# Altium PCB MB1363.PcbDoc (part 7 of 7)
Units mm, origin at the board's own origin, x right, y up, seen from the top; angles counter-clockwise.
Board outline 70 x 133.34 mm, 6 copper layers (Top Layer, Signal Layer 1, Signal Layer 2, Signal Layer 3, Signal Layer 4, Bottom Layer), stack 1.57 mm thick; 356 components, 294 nets, 1448 pads, 1107 vias.
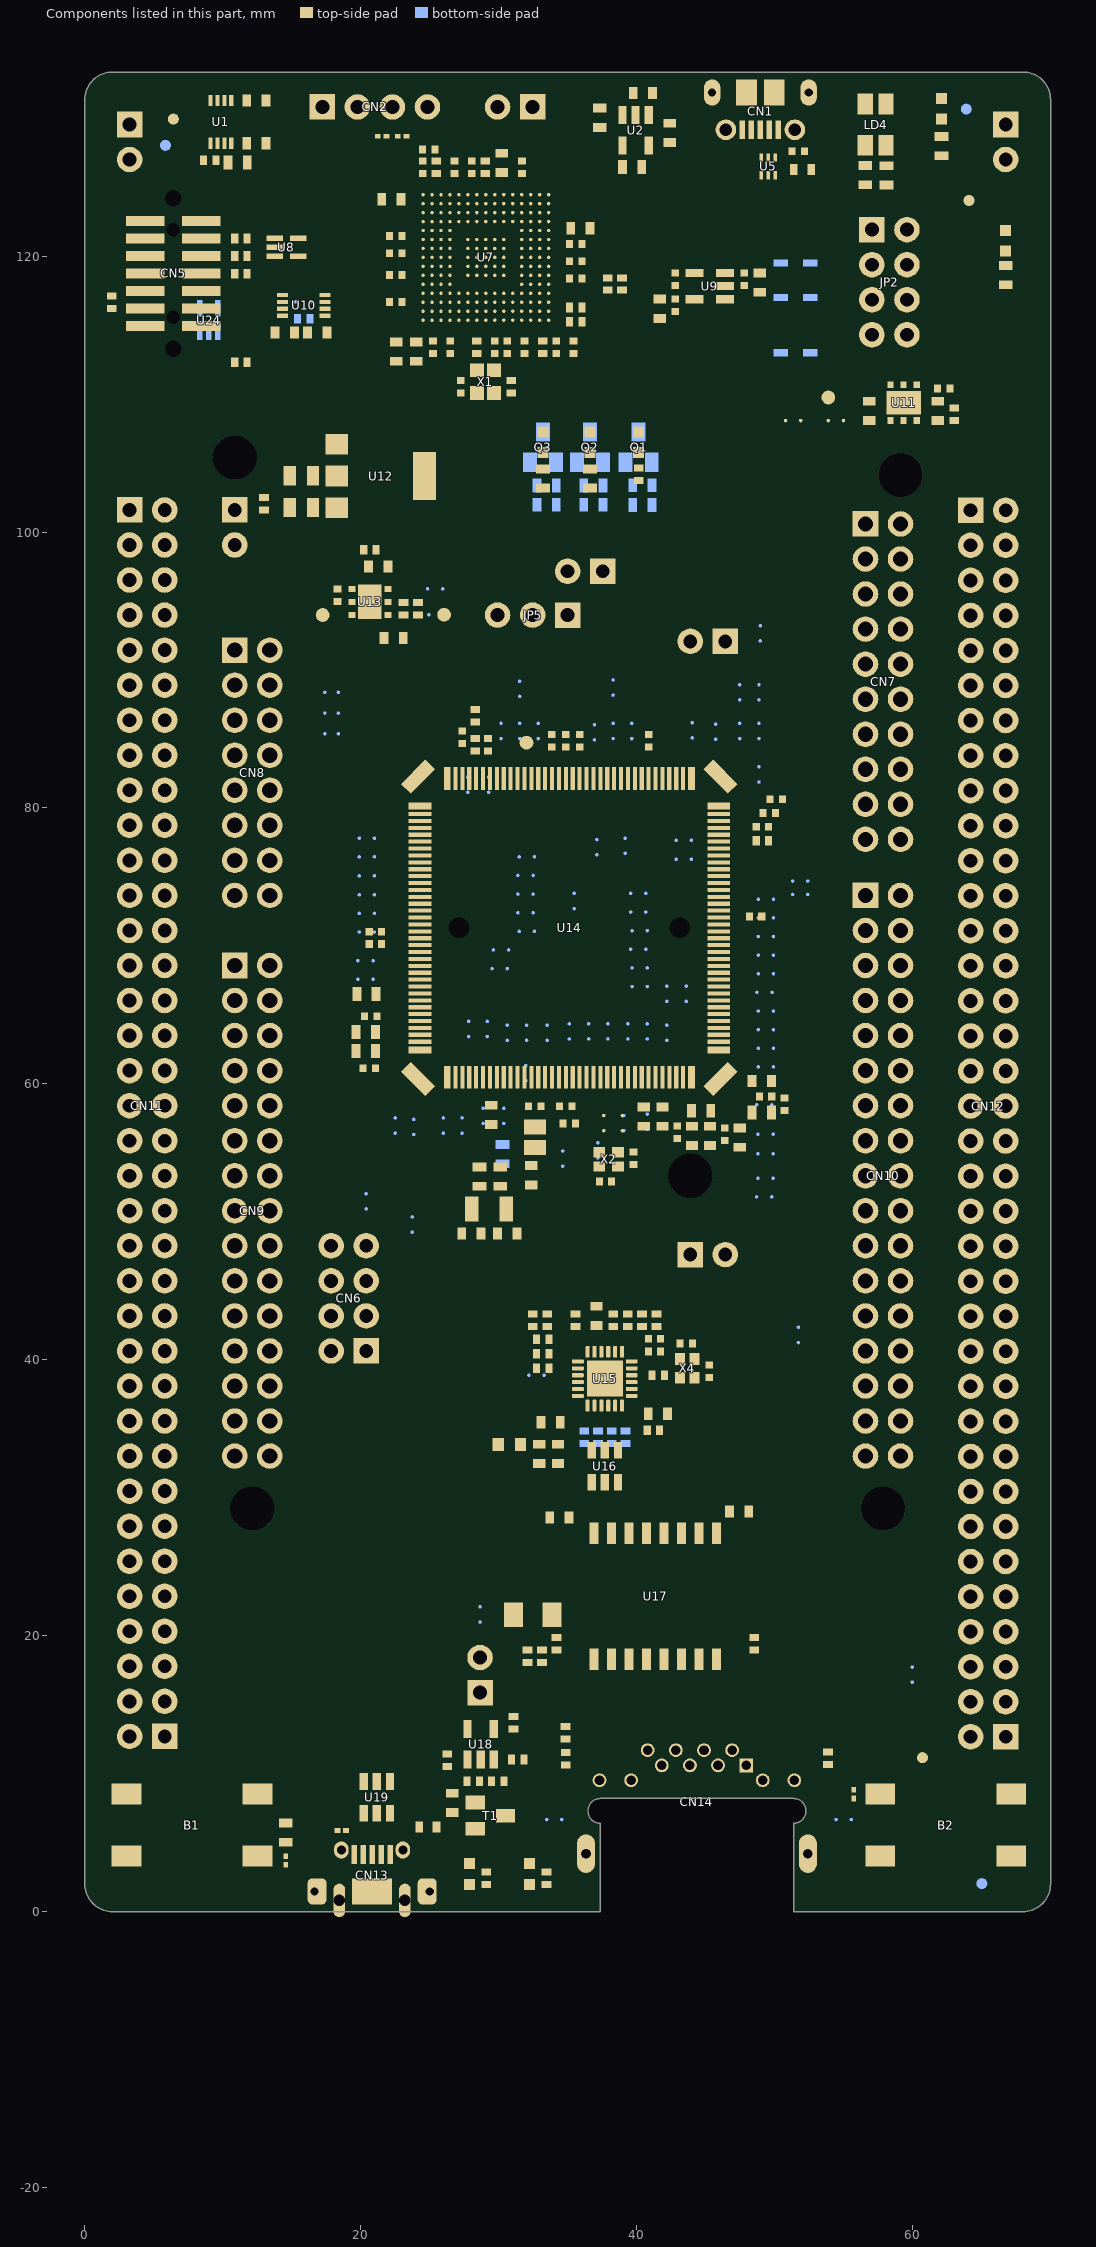
[diagram p11: the components of this part, seen from the top]

## Polygon pours and split planes (outlines as drawn) (continued)
GND on Top Layer "GND_L01_P090" (solid, remove dead copper, pour order 90): 1.577,133.34 0.116,131.879 0.116,107.629 20.166,107.629 20.666,108.129 25.866,108.129 26.4,107.595 26.4,100.163 25.991,99.754 16.291,99.754 15.416,100.629 13.866,100.629 13.866,107.629 0.116,107.629 0.116,1.629 1.616,0.129 35.366,0.129 35.366,12.379 28.991,12.379 28.616,12.004 28.616,8.979 27.016,7.379 26.266,7.379 25.366,6.479 25.366,4.379 23.866,2.879 21.866,2.879 21.366,3.379 21.366,5.379 25.116,9.129 25.116,14.629 25.366,14.879 35.866,14.879 35.866,8.379 53.366,8.379 53.369,0 68.237,0 69.866,1.629 69.866,106.879 60.116,106.879 59.616,107.379 59.616,108.629 59.866,108.879 63.116,108.879 63.116,111.879 62.616,112.379 59.016,112.379 58.15,113.245 58.15,124.05 58.979,124.879 63.616,124.879 64.366,124.129 64.366,119.379 64.866,118.879 67.396,118.879 67.396,118.849 67.866,118.379 67.866,107.629 67.616,107.379 67.616,107.129 69.866,107.129 69.866,131.879 68.405,133.34
5V on Signal Layer 2 "5V_L03_P060" (solid, remove dead copper, pour order 60): 58.575,113.8 59.496,112.879 62.391,112.879 63.616,114.104 63.616,124.429 61.641,126.404 50.866,126.404 48.191,123.729 41.841,123.729 36.066,117.954 26.266,117.954 23.766,120.454 4.541,120.454 1.091,117.004 1.091,113.079 1.691,112.479 3.941,112.479 5.466,114.004 38.241,114.004 44.791,120.554 57.771,120.554 58.63,119.695
5V_VIN on Signal Layer 2 "5V_VIN_L03_P034" (solid, remove dead copper, pour order 34): 19.366,104.779 20.316,105.729 20.316,107.504 20.666,107.854 25.641,107.854 26.016,107.479 26.016,100.629 25.666,100.279 20.491,100.279 20.291,100.479 20.291,102.429 19.591,103.129 19.366,103.354
VDD_MCU on Signal Layer 2 "VDD_MCU_L03_P088" (solid, remove dead copper, pour order 88): 18.166,87.354 17.916,87.104 17.916,86.479 18.266,86.129 24.191,86.129 27.941,82.379 41.591,82.379 42.166,82.954 42.166,85.304 41.641,85.829 31.891,85.829 30.366,87.354
5V on Signal Layer 2 "5V_L03_P062" (solid, remove dead copper, pour order 62): 15.866,14.304 13.316,11.754 1.441,11.754 1.091,11.404 1.091,9.979 1.716,9.354 14.791,9.354 17.816,12.379 27.091,12.379 27.366,12.654 27.366,14.079 27.141,14.304
VIN on Signal Layer 2 "VIN_L03_P082" (solid, remove dead copper, pour order 82): 12.441,104.079 12.016,104.079 11.191,103.254 11.191,101.679 12.566,100.304 19.716,100.304 19.991,100.579 19.991,102.279 19.366,102.904 18.196,104.074 17.341,104.074
GND on Signal Layer 2 "GND_L03_P092" (solid, remove dead copper, pour order 92): 2,133.34 1.986,133.354 1.55,133.354 -0.009,131.795 -0.009,117.504 0.166,117.329 0.916,117.329 4.391,120.804 23.941,120.804 26.391,118.354 35.841,118.354 41.566,124.079 48.041,124.079 50.816,126.854 62.041,126.854 64.016,124.879 64.016,114.004 62.841,112.829 62.841,112.079 69.816,112.079 69.816,132.004 68.491,133.329
GND on Signal Layer 2 "GND_L03_P094" (solid, remove dead copper, pour order 94): 0.091,113.329 0.391,113.329 1.491,112.229 4.166,112.229 5.641,113.704 38.666,113.704 45.116,120.154 57.671,120.154 58.225,119.6 58.225,113.675 59.346,112.554 62.566,112.554 62.841,112.829 69.592,112.829 69.866,112.555 69.866,81.879 43.116,81.879 42.366,82.629 42.366,83.559 42.366,85.429 41.766,86.029 31.966,86.029 26.366,91.629 26.366,107.654 25.716,108.304 20.491,108.304 19.891,107.704 19.891,105.829 18.466,104.404 11.741,104.404 10.716,103.379 10.716,100.529 10.566,100.379 0.341,100.379 0.091,100.629
GND on Signal Layer 2 "GND_L03_P096" (solid, remove dead copper, pour order 96): 26.666,100.854 25.916,100.104 12.241,100.104 10.4,101.945 10.4,103.669 8.751,103.669 7.491,104.929 0.216,104.929 0.116,104.829 0.116,11.404 0.253,11.266 0.579,11.266 1.316,12.004 13.166,12.004 15.691,14.529 27.316,14.529 27.616,14.229 27.616,12.179 69.916,12.179 69.941,12.204 69.941,81.577 69.59,81.929 43.066,81.929 42.366,82.629 41.741,82.004 27.741,82.004 23.891,85.854 18.141,85.854 17.616,86.379 17.616,87.204 18.091,87.679 30.287,87.679 30.301,87.693 26.666,91.329
GND on Signal Layer 2 "GND_L03_P098" (solid, remove dead copper, pour order 98): 0.566,10.029 1.616,8.979 15.041,8.979 18.116,12.054 27.141,12.054 27.666,12.579 34.091,12.579 34.416,12.904 34.416,13.054 35.291,13.929 69.891,13.929 69.941,13.879 69.941,1.204 68.816,0.079 1.216,0.079 0.216,1.079 0.216,10.004 0.191,10.029
GND on Signal Layer 1 "GND_L02_P020" (solid, remove dead copper, pour order 20): 35.266,9.866 36.068,10.668 52.748,10.668 53.666,9.75 53.666,8.429 53.491,8.254 53.491,0 69.037,0 69.416,0.379 70,0.963 70,132.345 69.005,133.34 68,133.34 -0.034,133.379 -0.034,0.929 0.895,0 35.266,0
GND on Signal Layer 4 "GND_L05_P050" (solid, remove dead copper, pour order 50): 35.369,10.569 36.425,11.625 52.4,11.625 53.425,10.6 53.364,10.263 53.501,10.126 53.5,10 53.525,9.975 53.541,9.975 53.541,0.054 53.591,0.079 68.541,0.079 69.866,1.404 69.866,131.829 68.466,133.229 1.791,133.254 1.516,133.254 0.041,131.779 0.041,1.629 1.591,0.079 35.369,0.079

## Keep-outs
Keep-Out Layer:
  lines w0.127: -0.004,1.999 ccw(c1.996,1.999) 1.996,-0.001

## Other copper
Top Layer:
  pour cut-out: 33.041,51.529 31.941,51.529 30.991,52.479 30.991,53.904 30.191,54.704 30.191,55.529 30.941,56.279 30.941,57.979 31.541,58.579 31.541,61.329 31.691,61.479 35.066,61.479 35.191,61.354 35.191,59.329 35.716,58.804 36.216,58.804 36.991,58.029 36.991,56.879 36.316,56.204 36.316,55.604 33.916,53.204 33.916,52.278 33.166,51.528
  pour cut-out: 24.316,126.629 23.271,126.629 21.721,125.079 21.721,122.206 21.536,122.021 21.536,113.804 22.001,113.339 26.226,113.339 26.891,114.004 26.891,115.779 27.446,116.334 28.79,116.334 29.716,115.408 29.716,113.904 30.416,113.204 35.791,113.204 36.291,113.704 36.291,121.204 36.116,121.379 31.791,121.379 31.791,122.379 32.49,123.078 32.49,126.627
  pour cut-out: 48.616,126.679 48.616,126.254 49.966,126.254 49.966,126.734 48.621,126.734 48.616,126.729
  pour cut-out: 35.366,17.35 53.366,17.35 53.366,-0.121 35.366,-0.121
  pour cut-out: 29.6,22.95 36.366,22.95 36.366,0 29.6,0
  text "1" at 67.218,104.184 h2 r90
Signal Layer 1:
  pour cut-out: 33.041,51.529 31.941,51.529 30.991,52.479 30.991,53.904 30.191,54.704 30.191,55.529 30.941,56.279 30.941,57.979 31.541,58.579 31.541,61.329 31.691,61.479 35.066,61.479 35.191,61.354 35.191,59.329 35.716,58.804 36.216,58.804 36.991,58.029 36.991,56.879 36.316,56.204 36.316,55.604 33.916,53.204 33.916,52.278 33.166,51.528
  pour cut-out: 35.366,17.35 53.366,17.35 53.366,-0.121 35.366,-0.121
  pour cut-out: 29.6,22.95 36.366,22.95 36.366,0 29.6,0
  text "2" at 67.218,105.434 h2 r90
Signal Layer 2:
  pour cut-out: 33.041,51.529 31.941,51.529 30.991,52.479 30.991,53.904 30.191,54.704 30.191,55.529 30.941,56.279 30.941,57.979 31.541,58.579 31.541,61.329 31.691,61.479 35.066,61.479 35.191,61.354 35.191,59.329 35.716,58.804 36.216,58.804 36.991,58.029 36.991,56.879 36.316,56.204 36.316,55.604 33.916,53.204 33.916,52.278 33.166,51.528
  pour cut-out: 35.366,17.35 53.366,17.35 53.366,-0.121 35.366,-0.121
  pour cut-out: 30.125,23.025 36.366,23.025 36.366,0 30.125,0
  text "3" at 67.218,106.934 h2 r90
Signal Layer 3:
  pour cut-out: 35.325,17.421 53.325,17.421 53.325,-0.05 35.325,-0.05
  text "4" at 67.218,109.184 h2 r90
Signal Layer 4:
  pour cut-out: 37.266,61.429 37.216,61.379 37.141,61.304 37.141,58.929 36.966,58.754 36.966,55.804 36.191,55.029 36.191,52.079 36.641,51.629 38.866,51.629 40.741,53.504 40.741,55.404 40.091,56.054 39.591,56.554 39.591,58.554 39.216,58.929 39.216,61.329 39.116,61.429
  pour cut-out: 30.741,61.429 30.666,61.354 30.666,58.729 30.391,58.454 30.391,57.929 30.066,57.604 29.066,57.604 28.841,57.379 28.841,56.604 27.666,55.429 27.666,52.729 26.866,51.929 26.866,48.504 27.541,47.829 30.966,47.829 31.791,48.654 31.791,51.154 30.841,52.104 30.841,54.204 30.641,54.404 30.291,54.404 30.216,54.479 30.216,55.554 31.016,56.354 31.016,58.129 31.591,58.704 31.591,61.354 31.516,61.429
  pour cut-out: 35.366,17.35 53.366,17.35 53.366,-0.121 35.366,-0.121
  pour cut-out: 32.3,8.2 36.366,8.2 36.366,0 32.3,0
  pour cut-out: 52.225,8.2 56.291,8.2 56.291,0 52.225,0
  text "5" at 67.218,110.684 h2 r90
Bottom Layer:
  pour cut-out: 32.541,19.7 35.475,19.7 35.475,0 32.541,0
  pour cut-out: 32.575,17.366 32.575,20.3 56.325,20.3 56.325,17.366
  pour cut-out: 56.459,0 53.525,0 53.525,20.225 56.459,20.225
  text "6" at 67.218,112.184 h2 r90
Multi-Layer:
  pour cut-out: 65.621,103.891 67.621,103.891 67.621,112.391 65.621,112.391
  pour cut-out: 36.441,28.325 36.441,17.359 46.266,17.359 46.266,28.325

## Silkscreen, mask and mechanical layers (free items; w line width, h text height)
Top Overlay:
  drawing of 1859 lines, arcs and shapes, not listed
  text "OVCR" at 60.186,132.098 h1.5
  text "COM" at 55.903,132.049 h1.5
  text "SWD" at 27.254,129.311 h1.5 r90
  text "STLK_RST" at 29.705,128.396 h0.91
  text "3V3" at 15.966,128.329 h1.5
  text "USB" at 45.027,127.236 h1.5
  text "STLK" at 15.394,127.064 h1.5
  text "GND" at 1.547,126.954 h1.5 r90
  text "GND" at 69.474,126.947 h1.5 r90
  text "PWR" at 44.861,126.086 h1.5
  text "ST-LINK V3" at 34.721,123.685 h1.5
  text "STLINK" at 50.42,121.407 h1.5
  text "VIN" at 52.85,118.795 h1.5
  text "5V" at 62.324,118.566 h1.5
  text "PWR" at 61.689,117.042 h1.5
  text "EXT" at 52.552,116.332 h1.5
  text "RX" at 0.706,114.299 h1.5
  text "TX" at 10.391,114.299 h1.5
  text "CHGR" at 51.18,113.769 h1.5
  text "MIPI10" at 4.326,111.224 h1.5
  text "3V3" at 52.749,110.764 h1.5
  text "5V_VIN" at 25.824,103.769 h1.5
  text "SCL" at 60.916,101.154 h1.2 r45
  text "User LEDs" at 34.039,101.13 h1.5
  text "D15" at 60.991,100.029 h1.2 r45
  text "VIN" at 17.315,99.842 h1.5
  text "3V3" at 36.435,98.66 h1.5
  text "SDA" at 60.916,98.379 h1.2 r45
  text "D14" at 60.991,97.229 h1.2 r45
  text "IDD" at 39.875,96.65 h1.5
  text "MCU_RST" at 7.776,96.466 h1.5
  text "+" at 62.291,95.379 h1.2 r45
  text "VREF" at 60.966,95.204 h1.2 r45
  text "I2S_A" at 54.017,94.409 h1.5 r90
  text "VDD" at 37.108,94.261 h1.5
  text "MCU" at 37.124,93.168 h1.5
  text "GND" at 60.891,92.779 h1.2 r45
  text "NC" at 7.741,92.154 h1.2 r315
  text "1V8" at 24.965,92.119 h1.5
  text "1V8" at 28.66,91.244 h1.5
  text "3V3" at 34.158,91.226 h1.5
  text "VDD" at 24.698,90.979 h1.5
  text "SCK" at 60.916,90.904 h1.2 r45
  text "VDD" at 28.393,90.104 h1.5
  text "VDD" at 33.891,90.086 h1.5
  text "D13" at 61.016,89.779 h1.2 r45
  text "IO" at 8.216,89.754 h1.2 r315
  text "RMII TXD1" at 41.862,89.533 h1.5
  text "REF" at 7.491,89.004 h1.2 r315
  text "MISO" at 60.966,88.079 h1.2 r45
  text "NRST" at 7.116,86.904 h1.2 r315
  text "D12" at 61.016,86.879 h1.2 r45
  text "I2S_B" at 54.719,85.921 h1.5 r90
  text "MOSI" at 60.991,85.329 h1.2 r45
  text "D11" at 60.966,84.079 h1.2 r45
  text "3V3" at 7.716,83.904 h1.2 r315
  text "SDMMC" at 16.676,82.753 h1.5 r90
  text "CS" at 60.891,82.629 h1.2 r45
  text "D10" at 60.966,81.479 h1.2 r45
  text "5V" at 7.841,81.354 h1.2 r315
  text "PWM" at 60.991,80.104 h1.2 r45
  text "GND" at 7.441,79.054 h1.2 r315
  text "D9" at 61.016,78.904 h1.2 r45
  text "SPI_B" at 54.151,78.837 h1.5 r90
  text "I/O" at 61.016,77.429 h1.2 r45
  text "GND" at 7.416,76.479 h1.2 r315
  text "D8" at 61.016,76.229 h1.2 r45
  text "IO" at 16.64,74.292 h1.5 r90
  text "I/O" at 61.041,74.204 h1.2 r45
  text "VIN" at 7.466,73.879 h1.2 r315
  text "AVDD" at 51.445,73.179 h1.5
  text "D7" at 61.041,72.954 h1.2 r45
  text "PWM" at 61.016,71.554 h1.2 r45
  text "AGND" at 51.342,70.602 h1.5
  text "D6" at 61.041,70.404 h1.2 r45
  text "A0" at 7.758,69.168 h1.2 r315
  text "PWM" at 61.041,69.029 h1.2 r45
  text "GND" at 52.309,68.223 h1.5
  text "D5" at 61.041,67.854 h1.2 r45
  text "A1" at 7.841,66.679 h1.2 r315
  text "I/O" at 61.016,66.429 h1.2 r45
  text "D4" at 61.041,65.204 h1.2 r45
  text "A2" at 7.866,64.129 h1.2 r315
  text "PWM" at 61.016,63.729 h1.2 r45
  text "D3" at 61.016,62.504 h1.2 r45
  text "A3" at 7.766,61.479 h1.2 r315
  text "USART" at 16.249,61.35 h1.5 r90
  text "I/O" at 61.016,61.129 h1.2 r45
  text "D2" at 61.041,59.954 h1.2 r45
  text "ADC_IN" at 54.018,59.134 h1.5 r90
  text "A4" at 7.816,59.004 h1.2 r315
  text "TX" at 60.992,58.483 h1.2 r45
  text "D1" at 60.991,57.254 h1.2 r45
  text "A5" at 7.766,56.429 h1.2 r315
  text "RX" at 61.016,55.729 h1.2 r45
  text "GND" at 14.885,55.395 h1.5
  text "D0" at 61.041,54.554 h1.2 r45
  text "COMP" at 8.392,50.222 h1.5 r90
  text "QSPI" at 53.866,49.124 h1.5 r90
  text "SAI_A" at 16.036,47.769 h1.5 r90
  text "PG" at 22.068,47.578 h1.5
  text "GND" at 24.847,47.553 h1.5
  text "VOUT" at 24.536,45.919 h1.5
  text "SW" at 21.903,45.271 h1.5
  text "RMII MDIO" at 42.543,45.101 h1.5
  text "I2C" at 8.534,44.676 h1.5 r90
  text "CORE" at 24.536,44.649 h1.5
  text "EN" at 21.996,42.744 h1.5
  text "VDD" at 24.872,42.73 h1.5
  text "TIMER" at 62.301,41.166 h1.5 r90
  text "GND" at 7.366,41.129 h1.2 r315
  text "V1" at 21.996,40.204 h1.5
  text "GND" at 52.309,40.207 h1.5
  text "3V3" at 25.093,40.186 h1.5
  text "SAI_B" at 16,37.601 h1.5 r90
  text "CAN" at 8.356,35.361 h1.5 r90
  text "TIMER" at 54.094,33.405 h1.5 r90
  text "IO" at 14.929,32.577 h1.5
  text "IO" at 8.202,32.51 h1.5
  text "USB PWR EN" at 28.325,20.05 h1.5 r90
  text "MB1363C" at 51.85,18.252 h2
  text "Nucleo" at 8.344,16.62 h3.3
  text "GND" at 64.243,10.076 h1.5
  text "GND" at 3.214,9.991 h1.5
  text "RESET" at 60.307,1.922 h1.5
  text "USER" at 6,1.9 h1.5
  text "User" at 13.205,1.729 h1.5
  text "USB" at 13.229,0.491 h1.5
  text "OVCR" at 26.258,0.329 h1.5
  text "VBUS" at 31.537,0.337 h1.5
Bottom Overlay:
  lines w0.12: 32.077,58.881 32.077,59.33
  lines w0.127: 30.875,16.45 30.875,25.45 55.875,25.45 55.875,16.45 30.875,16.45
  text "GND" at 68.326,127 h1.5 r270
  text "GND" at 0.741,126.829 h1.5 r270
  text "CN12" at 65.375,103.25 h1.5
  text "CN11" at 6.265,103.098 h1.5
  text "CN7" at 57.199,102.184 h1.5
  text "PC8" at 69.591,102.183 h1.2 r45
  text "PC11" at 9.533,101.167 h1.2
  text "PC10" at 1.766,100.979 h1.2 r315
  text "PC9" at 62.961,100.938 h1.2
  text "PC6" at 69.743,99.872 h1.2 r45
  text "PC12" at 1.791,98.579 h1.2 r315
  text "PD2" at 9.088,98.525 h1.2
  text "PB8" at 62.961,98.398 h1.2
  text "PC5" at 69.769,97.23 h1.2 r45
  text "3V3" at 1.866,96.504 h1.2 r315
  text "E5V" at 9.088,95.935 h1.2
  text "PB9" at 62.961,95.858 h1.2
  text "VDD" at 1.671,95.381 h1.2 r315
  text "U5V" at 69.667,94.563 h1.2 r45
  text "GND" at 9.088,93.445 h1.2
  text "BT0" at 1.595,93.318 h1.2 r315
  text "CN8" at 13.547,92.934 h1.5
  text "VREF+" at 62.69,92.664 h1.2 r315
  text "PD8" at 69.667,92.099 h1.2 r45
  text "NC" at 8.391,91.054 h1.2
  text "PF6" at 1.671,90.778 h1.2 r315
  text "GND" at 62.961,90.778 h1.2
  text "PA12" at 69.769,89.153 h1.2 r45
  text "+3V3" at 9.748,88.365 h1.2
  text "PA5" at 62.961,88.238 h1.2
  text "PF7" at 1.671,88.137 h1.2 r315
  text "PA11" at 69.489,86.41 h1.2 r45
  text "PA6" at 62.961,85.698 h1.2
  text "NRST" at 9.698,85.648 h1.2
  text "PA13" at 2.078,84.911 h1.2 r315
  text "PB12" at 69.591,83.895 h1.2 r45
  text "3V3" at 9.088,83.285 h1.2
  text "PA7" at 62.961,83.158 h1.2
  text "PA14" at 2.078,82.346 h1.2 r315
  text "PB11" at 69.642,81.38 h1.2 r45
  text "+5V" at 9.088,80.695 h1.2
  text "PB6" at 62.961,80.618 h1.2
  text "PA15" at 2.078,79.856 h1.2 r315
  text "GND" at 69.769,79.323 h1.2 r45
  text "GND" at 9.088,78.231 h1.2
  text "PC7" at 62.961,78.078 h1.2
  text "GND" at 1.671,78.053 h1.2 r315
  text "PB2" at 69.642,76.783 h1.2 r45
  text "GND" at 9.088,75.691 h1.2
  text "PA9" at 62.961,75.538 h1.2
  text "PB7" at 1.671,75.513 h1.2 r315
  text "CN10" at 59.578,75.041 h1.5
  text "PB1" at 69.489,74.065 h1.2 r45
  text "VIN" at 8.936,73.024 h1.2
  text "PA8" at 62.961,72.998 h1.2
  text "PC13" at 2.078,72.313 h1.2 r315
  text "PB15" at 69.591,71.373 h1.2 r45
  text "NC" at 8.466,70.704 h1.2
  text "PB10" at 62.961,70.458 h1.2
  text "CN9" at 13.647,69.951 h1.5
  text "PC14" at 2.078,69.696 h1.2 r315
  text "PB14" at 69.642,68.757 h1.2 r45
  text "PA0" at 9.088,68.096 h1.2
  text "PB4" at 62.961,67.918 h1.2
  text "PC15" at 1.9,67.36 h1.2 r315
  text "PB13" at 69.794,66.344 h1.2 r45
  text "PA1" at 8.783,65.505 h1.2
  text "PB5" at 62.961,65.378 h1.2
  text "OSCI" at 2.078,64.642 h1.2 r315
  text "AGND" at 69.86,64.007 h1.2 r45
  text "PA4" at 9.088,63.067 h1.2
  text "PB3" at 62.961,62.838 h1.2
  text "OSCO" at 2.078,62.102 h1.2 r315
  text "PC4" at 69.616,61.695 h1.2 r45
  text "PB0" at 9.088,60.425 h1.2
  text "PA10" at 62.961,60.298 h1.2
  text "VBAT" at 2.078,59.536 h1.2 r315
  text "NC" at 69.391,57.979 h1.2
  text "PC1" at 8.783,57.809 h1.2
  text "PA2" at 62.961,57.758 h1.2
  text "PC2" at 1.671,57.454 h1.2 r315
  text "NC" at 69.391,55.504 h1.2
  text "PC0" at 9.088,55.32 h1.2
  text "PA3" at 62.961,55.218 h1.2
  text "PC3" at 1.671,54.863 h1.2 r315
  text "PE8" at 69.616,53.847 h1.2 r45
  text "PD3" at 9.088,52.755 h1.2
  text "GND" at 62.961,52.678 h1.2
  text "PD4" at 1.595,52.628 h1.2 r315
  text "PF10" at 69.87,51.332 h1.2 r45
  text "NC" at 8.491,50.379 h1.2
  text "PD13" at 62.961,50.138 h1.2
  text "PD5" at 1.57,50.113 h1.2 r315
  text "PE7" at 69.667,48.716 h1.2 r45
  text "NC" at 8.516,47.904 h1.2
  text "PD6" at 1.57,47.598 h1.2 r315
  text "PD12" at 62.961,47.598 h1.2
  text "PD14" at 69.819,46.176 h1.2 r45
  text "PE2" at 9.088,45.16 h1.2
  text "PD7" at 1.519,45.135 h1.2 r315
  text "PD11" at 62.961,45.058 h1.2
  text "PD15" at 69.667,43.509 h1.2 r45
  text "PE4" at 9.088,42.747 h1.2
  text "PE3" at 1.544,42.544 h1.2 r315
  text "PE10" at 62.961,42.518 h1.2
  text "PF14" at 69.718,40.994 h1.2 r45
  text "GND" at 1.595,40.105 h1.2 r315
  text "PE12" at 62.961,39.978 h1.2
  text "PE5" at 9.088,39.928 h1.2
  text "PE9" at 69.667,38.556 h1.2 r45
  text "NC" at 1.966,37.729 h1.2
  text "NC" at 8.566,37.679 h1.2
  text "PE14" at 62.961,37.438 h1.2
  text "GND" at 69.667,36.041 h1.2 r45
  text "NC" at 2.016,35.179 h1.2
  text "PF8" at 9.088,35 h1.2
  text "PE15" at 62.961,34.898 h1.2
  text "PE11" at 69.794,33.578 h1.2 r45
  text "PF9" at 9.088,32.46 h1.2
  text "PD1" at 1.671,32.384 h1.2 r315
  text "PE13" at 62.961,32.358 h1.2
  text "NC" at 8.591,30.129 h1.2
  text "NC" at 62.941,30.054 h1.2
  text "NC" at 69.441,30.054 h1.2
  text "PD0" at 1.671,29.793 h1.2 r315
  text "PF15" at 69.819,28.32 h1.2 r45
  text "NC" at 1.916,27.554 h1.2
  text "GND" at 9.191,27.504 h1.2
  text "NC" at 62.991,27.479 h1.2
  text "PF11" at 69.642,25.704 h1.2 r45
  text "PE6" at 9.088,24.815 h1.2
  text "PG14" at 62.961,24.738 h1.2
  text "PE1" at 1.595,24.688 h1.2 r315
  text "PE0" at 69.667,23.468 h1.2 r45
  text "NC" at 8.566,22.454 h1.2
  text "GND" at 62.961,22.198 h1.2
  text "PG9" at 1.62,22.097 h1.2 r315
  text "PG8" at 69.616,20.827 h1.2 r45
  text "PG10" at 9.829,19.887 h1.2
  text "PD10" at 62.961,19.658 h1.2
  text "PG12" at 2.078,18.871 h1.2 r315
  text "PG7" at 62.925,17.475 h1.2
  text "NC" at 69.416,17.379 h1.2
  text "NC" at 2.016,17.354 h1.2
  text "PG13" at 9.829,17.322 h1.2
  text "PG6" at 69.743,15.975 h1.2 r45
  text "PG11" at 9.829,14.909 h1.2
  text "NC" at 62.841,14.754 h1.2
  text "PD9" at 1.671,14.477 h1.2 r315
  text "MB1363C" at 55.75,14.1 h2.5
  text "GND" at 67.075,10.1 h1.5
  text "GND" at 6.1,10 h1.5
Top Solder:
  region: 67.625,103.9 67.625,112.4 65.625,112.4 65.625,103.9
Bottom Solder:
  region: 67.625,103.9 67.625,112.4 65.625,112.4 65.625,103.9
M1-Board Shape:
  lines w0.1: 51.369,6.4 ccw(c51.369,6.4) 51.369,6.4 ; 51.369,6.4 ccw(c51.369,7.3) 52.269,7.3 ; 51.369,6.4 51.369,0 68,0 ; 52.269,7.3 ccw(c51.369,7.3) 51.369,8.2 37.369,8.2 ccw(c37.369,7.3) 36.469,7.3 ccw(c37.369,7.3) 37.369,6.4 37.369,0 2,0 cw(c2,2) 0,2 0,131.34 cw(c2,131.34) 2,133.34 68,133.34 cw(c68,131.34) 70,131.34 70,2 cw(c68,2) 68,0 ; 52.269,7.3 52.269,7.3 ; 68,0 68,0
Drill Drawing:
  drawing of 561 lines, arcs and shapes, not listed
  text "PCB SPECIFICATIONS :" at 2.036,176.169 h3
  text "PCB : TYPE 3" at 150.448,175.937 h3
  text "A.   MATERIAL :" at 2.036,172.169 h3
  text "FR-4" at 40.536,172.169 h3
  text "TG-170" at 57.036,172.169 h3
  text "X  TG-150" at 75.286,172.169 h3
  text "TG-140" at 91.286,172.169 h3
  text "ASPECT-RATIO, AXE Z :" at 150.448,170.437 h3
  text "B.   MATERIAL FAMILY :" at 2.036,169.169 h3
  text "N/A" at 40.536,169.169 h3
  text "C.   SOLDERMASK COLOR :" at 2.036,166.169 h3
  text "GREEN" at 40.536,166.169 h3
  text "X  WHITE" at 57.036,166.169 h3
  text "RED" at 75.286,166.169 h3
  text "BLACK" at 91.286,166.169 h3
  text "6:1 to 8:1 / LEVEL \"B\"" at 150.466,163.689 h3
  text "D.   SILKSCREEN COLOR :" at 2.036,163.169 h3
  text "WHITE" at 40.536,163.169 h3
  text "YELLOW" at 57.036,163.169 h3
  text "BLACK" at 75.286,163.169 h3
  text "X  Blue ink PANTONE 2955" at 91.286,163.169 h3
  text "E.   SURFACE FINISH :" at 2.036,160.169 h3
  text "X  ENIG" at 40.536,160.169 h3
  text "IMMERSION SILVER" at 57.036,160.169 h3
  text "IMMERSION TIN" at 91.286,160.169 h3
  text "MINIMUM PARAMETERS" at 150.493,158.088 h3
  text "HASL" at 40.536,157.169 h3
  text "HASL (PB-FREE)" at 57.036,157.169 h3
  text "GOLDEN FINGER" at 91.286,157.169 h3
  text "F.   IMPEDANCE CONTROL :" at 2.036,154.169 h3
  text "NO" at 40.536,154.169 h3
  text "X  YES  (SEE IMPEDANCE TABLE FOR DETAIL INFORMATION)" at 57.036,154.169 h3
  text "DEFAULT" at 150.493,152.588 h3
  text "G.   THROUGH VIA :" at 2.036,151.169 h3
  text "PLUG THE VIAS WHICH ARE COVERED WITH SOLDERMASK ONE OR TWO SIDE." at 40.536,151.169 h3
  text "PLUG MATERIAL :" at 40.536,148.169 h3
  text "X  SOLDERMASK" at 66.036,148.169 h3
  text "NON-CONDUCTIVE EPOXY." at 91.286,148.169 h3
  text "TRACKS : 0.120mm           / GAPS : 0.120mm" at 150.493,146.838 h3
  text "H.   STACK-UP :" at 2.036,145.169 h3
  text "SEE LAYER STACK-UP SEQUENCE FOR OVERALL THICKNESS." at 40.536,145.169 h3
  text "Layer" at 79.741,134.779 h2
  text "Name" at 88.115,134.779 h2
  text "Material" at 104.312,134.779 h2
  text "Thickness" at 118.866,134.779 h2
  text "Constant" at 130.821,134.779 h2
  text "Board Layer Stack" at 141.885,134.779 h2
  text "IMPEDANCE TABLE    RMII" at 163.739,134.594 h3
  text "1" at 79.741,130.779 h2
  text "Top Overlay" at 88.115,130.779 h2
  text "LAYER" at 167.989,129.594 h3
  text "TRACE" at 184.239,129.594 h3
  text "SPACING" at 194.739,129.594 h3
  text "IMPEDANCE" at 208.239,129.594 h3
  text "IMPEDANCE" at 225.239,129.594 h3
  text "TOL." at 243.989,129.594 h3
  text "(mm)" at 198.064,127.119 h2.5
  text "(mm)" at 186.239,127.069 h2.5
  text "(Single ended)" at 208.739,126.844 h2.5
  text "(Differential)" at 226.489,126.844 h2.5
  text "2" at 79.741,126.779 h2
  text "Top Solder" at 88.115,126.779 h2
  text "Solder Resist" at 104.312,126.779 h2
  text "0,015mm" at 118.866,126.779 h2
  text "3,5" at 130.821,126.779 h2
  text "+/- 15%" at 243.044,123.204 h3
  text "0.127" at 185.214,123.119 h3
  text "TOP/BOTTOM" at 164.219,123.079 h3
  text "n/a" at 197.239,123.094 h3
  text "50 ohm" at 211.594,123.029 h3
  text "n/a" at 231.144,122.979 h3
  text "3" at 79.741,122.779 h2
  text "Top Layer" at 88.115,122.779 h2
  text "Copper" at 104.312,122.779 h2
  text "0,042mm" at 118.866,122.779 h2
  text "+/- 15%" at 243.049,119.689 h3
  text "0.102" at 185.219,119.604 h3
  text "n/a" at 197.244,119.579 h3
  text "LAYER 3" at 166.164,119.544 h3
  text "50 ohm" at 211.599,119.514 h3
  text "n/a" at 231.149,119.464 h3
  text "4" at 79.741,118.779 h2
  text "Dielectric 1" at 88.115,118.779 h2
  text "FR-4" at 104.312,118.779 h2
  text "0,099mm" at 118.866,118.779 h2
  text "4,2" at 130.821,118.779 h2
  text "5" at 79.741,114.779 h2
  text "Signal Layer 1" at 88.115,114.779 h2
  text "Copper" at 104.312,114.779 h2
  text "0,035mm" at 118.866,114.779 h2
  text "IMPEDANCE TABLE    RD / RX / TD / TX" at 163.739,114.274 h3
  text "6" at 79.741,110.779 h2
  text "Dielectric 2" at 88.115,110.779 h2
  text "0,102mm" at 118.866,110.779 h2
  text "4,2" at 130.821,110.779 h2
  text "LAYER" at 167.989,109.655 h3
  text "TRACE" at 184.239,109.655 h3
  text "SPACING" at 194.739,109.655 h3
  text "IMPEDANCE" at 208.239,109.655 h3
  text "IMPEDANCE" at 225.239,109.655 h3
  text "TOL." at 243.989,109.655 h3
  text "(mm)" at 198.064,107.18 h2.5
  text "(mm)" at 186.239,107.13 h2.5
  text "(Single ended)" at 208.739,106.905 h2.5
  text "(Differential)" at 226.489,106.905 h2.5
  text "7" at 79.741,106.779 h2
  text "Signal Layer 2" at 88.115,106.779 h2
  text "Copper" at 104.312,106.779 h2
  text "0,035mm" at 118.866,106.779 h2
  text "+/- 15%" at 243.044,103.265 h3
  text "0.130" at 185.214,103.18 h3
  text "TOP/BOTTOM" at 164.219,103.14 h3
  text "0.251" at 197.239,103.155 h3
  text "n/a" at 211.594,103.09 h3
  text "100 ohm" at 227.68,103.041 h3
  text "8" at 79.741,102.779 h2
  text "Dielectric 3" at 88.115,102.779 h2
  text "0,946mm" at 118.866,102.779 h2
  text "4,2" at 130.821,102.779 h2
  text "+/- 15%" at 243.049,99.75 h3
  text "0.104" at 185.219,99.665 h3
  text "0.277" at 197.244,99.64 h3
  text "LAYER 3" at 166.164,99.605 h3
  text "100 ohm" at 227.68,99.612 h3
  text "n/a" at 211.599,99.575 h3
  text "9" at 79.741,98.779 h2
  text "Signal Layer 3" at 88.115,98.779 h2
  text "Copper" at 104.312,98.779 h2
  text "0,035mm" at 118.866,98.779 h2
  text "IMPEDANCE TABLE   USB FS, USB HS USER, USB HS STLINK" at 163.739,94.843 h3
  text "10" at 79.741,94.779 h2
  text "Dielectric 4" at 88.115,94.779 h2
  text "0,102mm" at 118.866,94.779 h2
  text "4,2" at 130.821,94.779 h2
  text "11" at 79.741,90.779 h2
  text "Signal Layer 4" at 88.115,90.779 h2
  text "Copper" at 104.312,90.779 h2
  text "0,035mm" at 118.866,90.779 h2
  text "LAYER" at 167.989,89.843 h3
  text "TRACE" at 184.239,89.843 h3
  text "SPACING" at 194.739,89.843 h3
  text "IMPEDANCE" at 208.239,89.843 h3
  text "IMPEDANCE" at 225.239,89.843 h3
  text "TOL." at 243.989,89.843 h3
  text "(mm)" at 198.064,87.368 h2.5
  text "(mm)" at 186.239,87.318 h2.5
  text "(Single ended)" at 208.739,87.093 h2.5
  text "(Differential)" at 226.489,87.093 h2.5
  text "12" at 79.741,86.779 h2
  text "Dielectric 5" at 88.115,86.779 h2
  text "0,099mm" at 118.866,86.779 h2
  text "4,2" at 130.821,86.779 h2
  text "+/- 15%" at 243.044,83.453 h3
  text "0.155" at 185.214,83.368 h3
  text "TOP/BOTTOM" at 164.219,83.328 h3
  text "0.226" at 197.239,83.343 h3
  text "n/a" at 211.594,83.278 h3
  text "90 ohm" at 227.68,83.102 h3
  text "13" at 79.741,82.779 h2
  text "Bottom Layer" at 88.115,82.779 h2
  text "Copper" at 104.312,82.779 h2
  text "0,042mm" at 118.866,82.779 h2
  text "+/- 15%" at 243.049,79.938 h3
  text "0.130" at 185.219,79.853 h3
  text "0.251" at 197.244,79.828 h3
  text "LAYER 3" at 166.164,79.793 h3
  text "90 ohm" at 227.68,79.8 h3
  text "n/a" at 211.599,79.763 h3
  text "14" at 79.741,78.779 h2
  text "Bottom Solder" at 88.115,78.779 h2
  text "Solder Resist" at 104.312,78.779 h2
  text "0,015mm" at 118.866,78.779 h2
  text "3,5" at 130.821,78.779 h2
  text "15" at 79.741,74.779 h2
  text "Bottom Overlay" at 88.115,74.779 h2
  text "Symbol" at 80.453,67.069 h2.4
  text "Count" at 89.856,67.069 h2.4
  text "Hole Size" at 100.478,67.069 h2.4
  text "Plated" at 119.727,67.069 h2.4
  text "Hole Type" at 127.983,67.069 h2.4
  text "Drill Layer Pair" at 139.996,67.069 h2.4
  text "Hole Length" at 162.752,67.069 h2.4
  text "Routed Path Length" at 181.03,67.069 h2.4
  text "1098" at 89.856,62.924 h2
  text "0,200mm (7,87mil)" at 100.478,62.924 h2
  text "PTH" at 119.727,62.924 h2
  text "Round" at 127.983,62.924 h2
  text "Top Layer - Bottom Layer" at 139.996,62.924 h2
  text "-" at 162.752,62.924 h2
  text "-" at 181.03,62.924 h2
  text "9" at 89.856,58.779 h2
  text "0,300mm (11,81mil)" at 100.478,58.779 h2
  text "PTH" at 119.727,58.779 h2
  text "Round" at 127.983,58.779 h2
  text "Top Layer - Bottom Layer" at 139.996,58.779 h2
  text "-" at 162.752,58.779 h2
  text "-" at 181.03,58.779 h2
  text "4" at 89.856,54.634 h2
  text "0,600mm (23,62mil)" at 100.478,54.634 h2
  text "PTH" at 119.727,54.634 h2
  text "Slot" at 127.983,54.634 h2
  text "Top Layer - Bottom Layer" at 139.996,54.634 h2
  text "1,300mm (51,18mil)" at 162.752,54.634 h2
  text "0,700mm (27,56mil)" at 181.03,54.634 h2
  text "2" at 89.856,50.488 h2
  text "0,650mm (25,59mil)" at 100.478,50.488 h2
  text "PTH" at 119.727,50.488 h2
  text "Slot" at 127.983,50.488 h2
  text "Top Layer - Bottom Layer" at 139.996,50.488 h2
  text "0,850mm (33,47mil)" at 162.752,50.488 h2
  text "0,200mm (7,88mil)" at 181.03,50.488 h2
  text "12" at 89.856,46.343 h2
  text "0,700mm (27,56mil)" at 100.478,46.343 h2
  text "PTH" at 119.727,46.343 h2
  text "Round" at 127.983,46.343 h2
  text "Top Layer - Bottom Layer" at 139.996,46.343 h2
  text "-" at 162.752,46.343 h2
  text "-" at 181.03,46.343 h2
  text "2" at 89.856,42.198 h2
  text "0,700mm (27,56mil)" at 100.478,42.198 h2
  text "PTH" at 119.727,42.198 h2
  text "Slot" at 127.983,42.198 h2
  text "Top Layer - Bottom Layer" at 139.996,42.198 h2
  text "2,200mm (86,61mil)" at 162.752,42.198 h2
  text "1,500mm (59,06mil)" at 181.03,42.198 h2
  text "2" at 89.856,38.052 h2
  text "0,850mm (33,47mil)" at 100.478,38.052 h2
  text "NPTH" at 119.727,38.052 h2
  text "Slot" at 127.983,38.052 h2
  text "Top Layer - Bottom Layer" at 139.996,38.052 h2
  text "2,425mm (95,47mil)" at 162.752,38.052 h2
  text "1,575mm (62,01mil)" at 181.03,38.052 h2
  text "2" at 89.856,33.907 h2
  text "0,900mm (35,43mil)" at 100.478,33.907 h2
  text "PTH" at 119.727,33.907 h2
  text "Round" at 127.983,33.907 h2
  text "Top Layer - Bottom Layer" at 139.996,33.907 h2
  text "-" at 162.752,33.907 h2
  text "-" at 181.03,33.907 h2
  text "2" at 89.856,29.762 h2
  text "0,970mm (38,19mil)" at 100.478,29.762 h2
  text "NPTH" at 119.727,29.762 h2
  text "Round" at 127.983,29.762 h2
  text "Top Layer - Bottom Layer" at 139.996,29.762 h2
  text "-" at 162.752,29.762 h2
  text "-" at 181.03,29.762 h2
  text "B" at 79.665,29.508 h1.84
  text "183" at 89.856,25.617 h2
  text "1,000mm (39,37mil)" at 100.478,25.617 h2
  text "PTH" at 119.727,25.617 h2
  text "Round" at 127.983,25.617 h2
  text "Top Layer - Bottom Layer" at 139.996,25.617 h2
  text "-" at 162.752,25.617 h2
  text "-" at 181.03,25.617 h2
  text "100" at 89.856,21.471 h2
  text "1,100mm (43,31mil)" at 100.478,21.471 h2
  text "PTH" at 119.727,21.471 h2
  text "Round" at 127.983,21.471 h2
  text "Top Layer - Bottom Layer" at 139.996,21.471 h2
  text "-" at 162.752,21.471 h2
  text "-" at 181.03,21.471 h2
  text "2" at 89.856,17.326 h2
  text "1,190mm (46,85mil)" at 100.478,17.326 h2
  text "NPTH" at 119.727,17.326 h2
  text "Round" at 127.983,17.326 h2
  text "Top Layer - Bottom Layer" at 139.996,17.326 h2
  text "-" at 162.752,17.326 h2
  text "-" at 181.03,17.326 h2
  text "C" at 79.665,17.072 h1.84
  text "2" at 89.856,13.181 h2
  text "1,500mm (59,06mil)" at 100.478,13.181 h2
  text "NPTH" at 119.727,13.181 h2
  text "Round" at 127.983,13.181 h2
  text "Top Layer - Bottom Layer" at 139.996,13.181 h2
  text "-" at 162.752,13.181 h2
  text "-" at 181.03,13.181 h2
  text "5" at 89.856,9.035 h2
  text "3,200mm (125,98mil)" at 100.478,9.035 h2
  text "NPTH" at 119.727,9.035 h2
  text "Round" at 127.983,9.035 h2
  text "Top Layer - Bottom Layer" at 139.996,9.035 h2
  text "-" at 162.752,9.035 h2
  text "-" at 181.03,9.035 h2
  text "1425 Total" at 89.856,4.89 h2
  text "Slot definitions :" at 80.453,1.988 h2
  text "Routed Path Length" at 94.094,1.988 h2
  text "= Calculated from tool start centre position to tool end centre position." at 110.99,1.988 h2
  text "Hole Length" at 94.094,0.33 h2
  text "= Routed Path Length + Tool Size = Slot length as defined in the PCB layout" at 104.718,0.33 h2

## Dimensions
10.866,105.4 to 59.126,104.13 on M4-Bottom Dimensions
43.886,53.33 to 59.126,104.13 on M4-Bottom Dimensions
3.246,126.99 to 3.246,12.69 on M4-Bottom Dimensions
10.866,33.01 to 3.246,12.69 on M4-Bottom Dimensions
3.246,12.69 to 2,-0.009 on M4-Bottom Dimensions
12.136,29.2 to 3.246,12.69 on M4-Bottom Dimensions
12.136,29.2 to 57.856,29.2 on M4-Bottom Dimensions
10.866,33.01 to 59.126,33.01 on M4-Bottom Dimensions
3.246,12.69 to 66.746,12.665 on M4-Bottom Dimensions
0,1.991 to 70,1.991 on M4-Bottom Dimensions
43.886,53.33 to 59.126,104.13 on M4-Bottom Dimensions
59.126,104.13 to 66.746,101.565 on M4-Bottom Dimensions
3.246,126.99 to 3.246,101.59 on M4-Bottom Dimensions
3.246,129.53 to 2,133.331 on M4-Bottom Dimensions
59.126,104.13 to 66.746,126.99 on M4-Bottom Dimensions
68,133.331 to 68,-0.009 on M4-Bottom Dimensions
10.866,105.4 to 3.246,101.59 on M4-Bottom Dimensions
10.866,105.409 to 3.246,101.599 on M3-Top Dimensions
68,133.34 to 68,0 on M3-Top Dimensions
59.126,104.139 to 66.746,126.999 on M3-Top Dimensions
3.246,129.539 to 2,133.34 on M3-Top Dimensions
3.246,126.999 to 3.246,101.599 on M3-Top Dimensions
59.126,104.139 to 66.746,101.574 on M3-Top Dimensions
43.886,53.339 to 59.126,104.139 on M3-Top Dimensions
0,2 to 70,2 on M3-Top Dimensions
5.786,12.699 to 64.206,12.674 on M3-Top Dimensions
10.866,33.019 to 59.126,33.019 on M3-Top Dimensions
12.136,29.209 to 57.856,29.209 on M3-Top Dimensions
12.136,29.209 to 5.786,12.699 on M3-Top Dimensions
5.786,12.699 to 2,0 on M3-Top Dimensions
10.866,33.019 to 5.786,12.699 on M3-Top Dimensions
3.246,126.999 to 5.786,12.699 on M3-Top Dimensions
43.886,53.339 to 59.126,104.139 on M3-Top Dimensions
10.866,105.409 to 59.126,104.139 on M3-Top Dimensions
0,131.34 to 70,131.34 on M2-Board Dimensions
2,0 to 2,133.34 on M2-Board Dimensions

## Text inside footprints (layer, text, board x,y; h text height)
CN1: Top Overlay "1" at 53.125,128.55 h1.5; M14-Top Assembly "1" at 50.516,129.758 h1.5 r180; M14-Top Assembly "5" at 47.966,129.758 h1.5 r180; M7-Top Info "PCB" at 55.216,134.033 h1 r180; M7-Top Info "EDGE" at 44.616,134.008 h1 r180
CN2: Top Overlay "1" at 15.376,130.309 h1.5; M14-Top Assembly "4" at 24.451,130.359 h1.5; M14-Top Assembly "1" at 17.026,130.309 h1.5
CN3: Bottom Overlay "1" at 3.721,131.394 h1.5 r90; M15-Bottom Assembly "1" at 3.771,129.794 h1.5 r90
CN4: Bottom Overlay "1" at 67.221,131.394 h1.5 r90; M15-Bottom Assembly "1" at 67.271,129.794 h1.5 r90
CN5: Top Overlay "14" at 8.971,114.344 h1.5 r270; Top Overlay "13" at 2.921,114.344 h1.5 r270; Top Overlay "2" at 8.946,123.769 h1.5 r270; Top Overlay "1" at 2.896,123.469 h1.5 r270; M14-Top Assembly "2" at 8.946,122.794 h1 r270; M14-Top Assembly "14" at 8.921,115.369 h1 r270; M14-Top Assembly "13" at 3.271,115.394 h1 r270; M14-Top Assembly "1" at 3.221,122.694 h1 r270
CN6: Top Overlay "1" at 20.871,38.849 h1.5 r90; Top Overlay "2" at 18.325,38.625 h1.5 r90; M14-Top Assembly "7" at 20.921,47.944 h1.5 r90; M14-Top Assembly "1" at 20.896,40.449 h1.5 r90; M14-Top Assembly "8" at 18.371,47.944 h1.5 r90; M14-Top Assembly "2" at 18.346,40.274 h1.5 r90
CN7: Top Overlay "1" at 56,102.65 h1.5 r270; M14-Top Assembly "2" at 59.606,100.253 h1.5 r90; M14-Top Assembly "20" at 59.596,77.024 h1.5 r90; M14-Top Assembly "1" at 57.081,100.403 h1.5 r90; M14-Top Assembly "19" at 57.056,77.037 h1.5 r90
CN8: Top Overlay "1" at 10.275,93.5 h1.5 r270; M14-Top Assembly "2" at 13.886,91.124 h1.5 r90; M14-Top Assembly "16" at 13.876,73.005 h1.5 r90; M14-Top Assembly "1" at 11.361,91.274 h1.5 r90; M14-Top Assembly "15" at 11.336,73.018 h1.5 r90
CN9: Top Overlay "1" at 10.325,70.675 h1.5 r270; M14-Top Assembly "2" at 13.886,68.249 h1.5 r90; M14-Top Assembly "30" at 13.876,32.32 h1.5 r90; M14-Top Assembly "1" at 11.361,68.399 h1.5 r90; M14-Top Assembly "29" at 11.336,32.333 h1.5 r90
CN10: Top Overlay "1" at 55.975,75.7 h1.5 r270; M14-Top Assembly "2" at 59.606,73.339 h1.5 r90; M14-Top Assembly "34" at 59.596,32.32 h1.5 r90; M14-Top Assembly "1" at 57.031,73.464 h1.5 r90; M14-Top Assembly "33" at 57.056,32.333 h1.5 r90
CN11: Top Overlay "2" at 5.266,103.664 h1.5 r270; Top Overlay "1" at 2.741,103.389 h1.5 r270; M14-Top Assembly "69" at 2.791,15.934 h1.5 r270; M14-Top Assembly "70" at 5.341,15.909 h1.5 r270; M14-Top Assembly "2" at 5.366,101.914 h1.5 r270; M14-Top Assembly "1" at 2.766,101.814 h1.5 r270
CN12: Top Overlay "2" at 66.226,103.639 h1.5 r270; Top Overlay "1" at 63.701,103.364 h1.5 r270; M14-Top Assembly "69" at 63.751,15.909 h1.5 r270; M14-Top Assembly "70" at 66.301,15.884 h1.5 r270; M14-Top Assembly "2" at 66.326,101.889 h1.5 r270; M14-Top Assembly "1" at 63.726,101.789 h1.5 r270
CN13: Top Overlay "1" at 24.725,3.225 h1.5; M14-Top Assembly "1" at 21.998,3.639 h1; M14-Top Assembly "5" at 19.298,3.639 h1; M7-Top Info "EDGE" at 25.248,-0.536 h0.75; M7-Top Info "PCB" at 14.598,-0.536 h0.75
CN14: Top Overlay "1" at 47.714,11.575 h1.5; Top Overlay "G" at 38.039,10.25 h1.5; Top Overlay "Y" at 49.839,10.275 h1.5; M14-Top Assembly "YELLOW" at 48.769,8.35 h0.8; M14-Top Assembly "GREEN" at 37.169,8.35 h0.8; M14-Top Assembly "1" at 47.769,10.15 h1.5; M14-Top Assembly "2" at 46.594,11 h1.5; M14-Top Assembly "8" at 40.469,11 h1.5; M14-Top Assembly "7" at 41.519,10.125 h1.5; M7-Top Info "BOARD OUTLINE /  / CUT OUT" at 38.869,2.1 h1.52; M7-Top Info "PCB" at 34.769,-1.2 h1.5; M7-Top Info "EDGE" at 51.369,-1.2 h1.5; Keep-Out Layer "BOARD OUTLINE /  / CUT OUT" at 38.869,2.1 h1.52
CN15: Bottom Overlay "1" at 68.601,12.199 h1.5; M15-Bottom Assembly "1" at 67.001,12.149 h1.5
CN16: Bottom Overlay "1" at 7.641,12.224 h1.5; M15-Bottom Assembly "1" at 6.041,12.174 h1.5
D1: M15-Bottom Assembly "K" at 50.475,119.1 h1.2
D2: M15-Bottom Assembly "K" at 50.475,116.6 h1.2
D3: M15-Bottom Assembly "K" at 50.475,112.6 h1.2
Designator1: M20-Top Title Box "Project: '.Board_Name'" at 1.033,-8.143 h3; M20-Top Title Box "Rev: '.Board_PCB_Revision'" at 41.092,-23.227 h3; M20-Top Title Box "Ref: '.Board_Reference'" at 41.149,-18.227 h3; M20-Top Title Box "Date: '.Board_Document_Date'" at 1.033,-23.227 h3; M20-Top Title Box "R" at 86.529,-20.709 h1.52; M20-Top Title Box "Layer:" at 1.033,-13.227 h3; M20-Top Title Box "Gerber:" at 41.022,-13.227 h3; M20-Top Title Box "Variant: '.VariantName'" at 1.033,-18.227 h3; M21-Bottom Title Box "Variant: '.VariantName'" at 88.839,-18.227 h3; M21-Bottom Title Box "Gerber:" at 48.85,-13.227 h3; M21-Bottom Title Box "Layer:" at 88.838,-13.227 h3; M21-Bottom Title Box "R" at 3.724,-20.709 h1.52; M21-Bottom Title Box "Date: '.Board_Document_Date'" at 88.839,-23.227 h3; M21-Bottom Title Box "Ref: '.Board_Reference'" at 48.85,-18.227 h3; M21-Bottom Title Box "Rev: '.Board_PCB_Revision'" at 48.907,-23.227 h3; M21-Bottom Title Box "Project: '.Board_Name'" at 88.839,-8.143 h3
JP1: Top Overlay "1" at 33.925,130.375 h1.5; M14-Top Assembly "1" at 32.711,131.334 h1.5 r180
JP2: Top Overlay "1" at 56.57,123.709 h1.5 r270; Top Overlay "2" at 59.07,124.009 h1.5 r270; M14-Top Assembly "2" at 59.095,122.284 h1.5 r270; M14-Top Assembly "1" at 56.545,122.109 h1.5 r270; M14-Top Assembly "7" at 56.52,114.614 h1.5 r270; M14-Top Assembly "8" at 59.07,114.614 h1.5 r270
JP3: Top Overlay "1" at 10.416,103.404 h1.5 r270; M14-Top Assembly "1" at 10.341,101.854 h1.5 r270
JP4: Top Overlay "1" at 39,96.625 h1.5; M14-Top Assembly "1" at 37.791,97.679 h1.5 r180
JP5: Top Overlay "1" at 36.475,93.475 h1.5; M14-Top Assembly "1" at 35.186,94.479 h1.5 r180
JP6: Top Overlay "1" at 47.9,91.55 h1.5; M14-Top Assembly "1" at 46.681,92.599 h1.5 r180
JP7: Top Overlay "1" at 42.081,47.174 h1.5; M14-Top Assembly "1" at 43.631,47.099 h1.5
JP8: Top Overlay "1" at 29.096,14.069 h1.5 r90; M14-Top Assembly "1" at 29.171,15.619 h1.5 r90
LD1: M14-Top Assembly "K" at 40.391,107.397 h0.75 r90
LD2: M14-Top Assembly "K" at 36.866,107.397 h0.75 r90
LD3: M14-Top Assembly "K" at 33.458,107.397 h0.75 r90
LD4: Top Overlay "R" at 58.366,130.029 h1.5 r180; Top Overlay "G" at 56.916,130.029 h1.5 r180; M14-Top Assembly "R" at 58.366,130.054 h1.5 r180; M14-Top Assembly "A2" at 57.341,131.429 h0.75 r180; M14-Top Assembly "C1" at 58.766,131.454 h0.75 r180; M14-Top Assembly "C2" at 57.391,128.604 h0.75 r180; M14-Top Assembly "G" at 56.916,130.054 h1.5 r180; M14-Top Assembly "A1" at 58.816,128.579 h0.75 r180
LD5: M14-Top Assembly "K" at 66.996,122.019 h0.75 r90
LD6: M14-Top Assembly "K" at 62.291,131.479 h0.75 r90
LD7: M14-Top Assembly "K" at 28.116,3.629 h0.75 r90
LD8: M14-Top Assembly "K" at 32.491,3.629 h0.75 r90
U1: Top Overlay "1" at 10.9,131.05 h1.3; M14-Top Assembly "1" at 10.741,131.529 h0.75 r180; M14-Top Assembly "8" at 10.766,128.429 h0.75 r180; M14-Top Assembly "4" at 9.291,131.529 h0.75 r180; M14-Top Assembly "5" at 9.266,128.429 h0.75 r180
U2: Top Overlay "1" at 41.641,131.139 h1.5 r180
U3: M14-Top Assembly "K" at 20.966,128.529 h0.45
U4: M14-Top Assembly "K" at 23.566,128.829 h0.45 r180
U5: Top Overlay "1" at 48.241,125.404 h1.3; M14-Top Assembly "1" at 48.966,125.754 h0.5; M14-Top Assembly "2" at 49.441,125.754 h0.5; M14-Top Assembly "3" at 49.941,125.754 h0.5; M14-Top Assembly "4" at 49.931,126.937 h0.5; M14-Top Assembly "5" at 49.441,126.929 h0.5; M14-Top Assembly "6" at 48.941,126.929 h0.5
U6: M14-Top Assembly "2" at 52.349,125.793 h0.75; M14-Top Assembly "1" at 51.199,125.818 h0.75
U7: M14-Top Assembly "A1" at 24.666,115.004 h0.75 r90
U9: Top Overlay "1" at 47.341,116.104 h1.5 r90
U10: Top Overlay "1" at 18.016,115.104 h1.3 r90; M14-Top Assembly "5" at 14.566,117.029 h0.75 r90; M14-Top Assembly "8" at 14.566,115.529 h0.75 r90; M14-Top Assembly "4" at 17.666,117.004 h0.75 r90; M14-Top Assembly "1" at 17.666,115.554 h0.75 r90
U11: Top Overlay "1" at 61,110.075 h1.5
U12: Top Overlay "1" at 18.141,107.579 h1.5 r270; M14-Top Assembly "3" at 18.041,102.104 h1.5 r270; M14-Top Assembly "2" at 18.066,104.404 h1.5 r270; M14-Top Assembly "1" at 18.091,106.554 h1.5 r270; M14-Top Assembly "4" at 23.816,104.379 h1.5 r270
U13: Top Overlay "1" at 18.941,96.954 h1.5 r270
U14: Top Overlay "1" at 26.891,59.079 h1.5 r90; M14-Top Assembly "144" at 26.066,61.829 h1 r90; M14-Top Assembly "72" at 45.141,79.154 h1 r90; M14-Top Assembly "36" at 44.366,61.304 h1 r90; M14-Top Assembly "109" at 26.066,78.729 h1 r90; M14-Top Assembly "73" at 44.366,79.354 h1 r90; M14-Top Assembly "37" at 45.116,61.579 h1 r90; M14-Top Assembly "108" at 26.866,79.279 h1 r90; M14-Top Assembly "1" at 26.691,61.454 h1 r90
U15: Top Overlay "1" at 39.825,36.15 h1.5; M14-Top Assembly "6" at 40.141,39.754 h0.65 r90; M14-Top Assembly "7" at 39.091,41.079 h0.65 r180; M14-Top Assembly "25" at 37.991,38.854 h0.65 r180; M14-Top Assembly "1" at 40.166,37.304 h0.65 r90; M14-Top Assembly "24" at 39.266,36.579 h0.65 r180; M14-Top Assembly "12" at 36.716,41.079 h0.65 r180; M14-Top Assembly "13" at 35.241,40.154 h0.65 r270; M14-Top Assembly "19" at 36.716,36.579 h0.65 r180; M14-Top Assembly "18" at 35.241,37.654 h0.65 r270
U16: Top Overlay "1" at 39.15,33.4 h1.5; M14-Top Assembly "2" at 37.841,33.704 h0.75 r180; M14-Top Assembly "1" at 38.741,33.704 h0.75 r180; M14-Top Assembly "6" at 38.791,31.354 h0.75 r180; M14-Top Assembly "5" at 37.841,31.354 h0.75 r180; M14-Top Assembly "3" at 36.911,33.709 h0.75 r180; M14-Top Assembly "4" at 36.911,31.369 h0.75 r180
U17: Top Overlay "1" at 46.225,26.625 h1.5; Top Overlay "16" at 46.25,18.125 h1.5; Top Overlay "8" at 35.775,26.725 h1.5; Top Overlay "9" at 35.8,18.125 h1.5; M14-Top Assembly "1" at 45.982,26.209 h1.5 r180; M14-Top Assembly "16" at 46.426,20.459 h1.5 r180; M14-Top Assembly "9" at 37.219,20.459 h1.5 r180; M14-Top Assembly "8" at 37.219,26.209 h1.5 r180
U18: Top Overlay "1" at 26.966,10.099 h1.5
U19: Top Overlay "1" at 22.575,9.325 h1.5; M14-Top Assembly "2" at 21.316,9.704 h0.75 r180; M14-Top Assembly "1" at 22.216,9.704 h0.75 r180; M14-Top Assembly "6" at 22.266,7.354 h0.75 r180; M14-Top Assembly "5" at 21.316,7.354 h0.75 r180; M14-Top Assembly "3" at 20.386,9.709 h0.75 r180; M14-Top Assembly "4" at 20.386,7.369 h0.75 r180
U20: M14-Top Assembly "K" at 55.598,9.098 h0.45 r270
U21: M14-Top Assembly "2" at 25.191,5.629 h0.75; M14-Top Assembly "1" at 24.041,5.654 h0.75
U22: M14-Top Assembly "K" at 19.191,6.029 h0.45 r180
U23: M14-Top Assembly "K" at 14.416,4.279 h0.45 r270
X1: M14-Top Assembly "1" at 29.791,110.029 h0.6 r90; M14-Top Assembly "2" at 29.791,111.579 h0.6 r90; M14-Top Assembly "3" at 28.666,111.579 h0.6 r90; M14-Top Assembly "4" at 28.666,109.979 h0.6 r90
X2: M14-Top Assembly "1" at 37.241,53.879 h0.5; M14-Top Assembly "2" at 38.491,53.879 h0.5; M14-Top Assembly "3" at 38.491,54.854 h0.5; M14-Top Assembly "4" at 37.216,54.854 h0.5
X4: M14-Top Assembly "1" at 44.316,38.654 h0.5 r90; M14-Top Assembly "2" at 44.316,39.904 h0.5 r90; M14-Top Assembly "3" at 43.341,39.904 h0.5 r90; M14-Top Assembly "4" at 43.341,38.629 h0.5 r90